# Altium PCB NeuroPico Hub.PcbDoc (part 1 of 5) (continued)
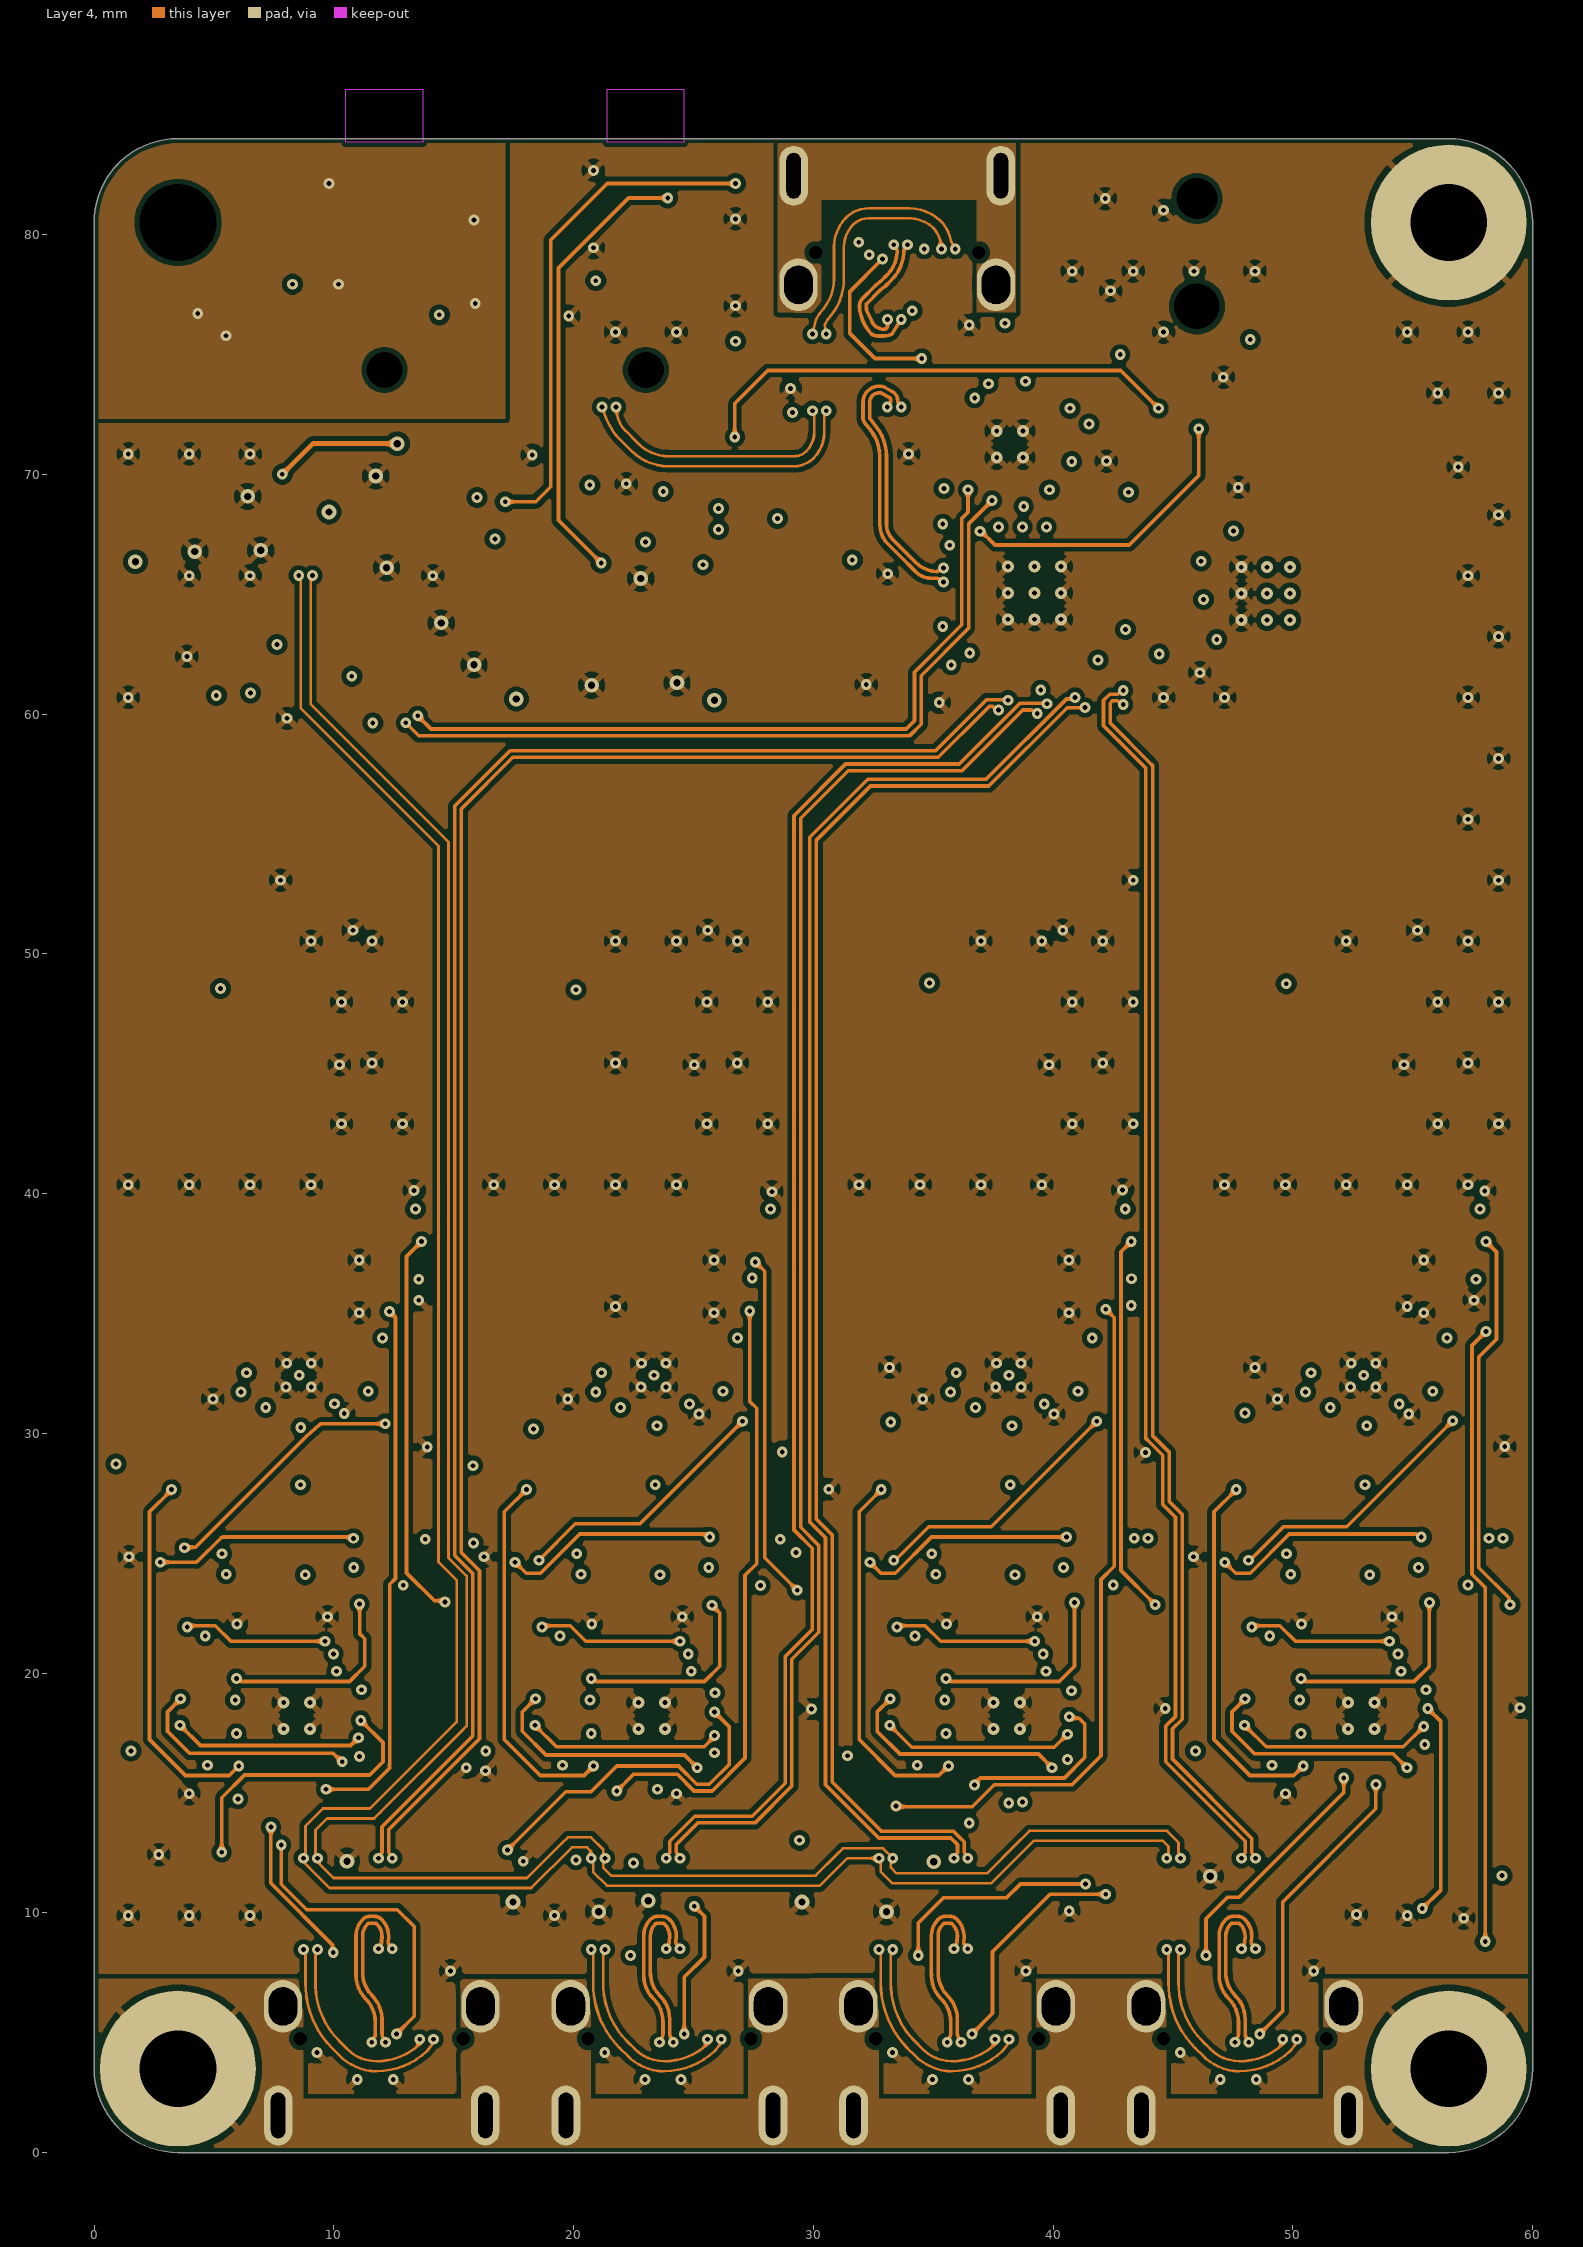
[diagram p4: Layer 4]
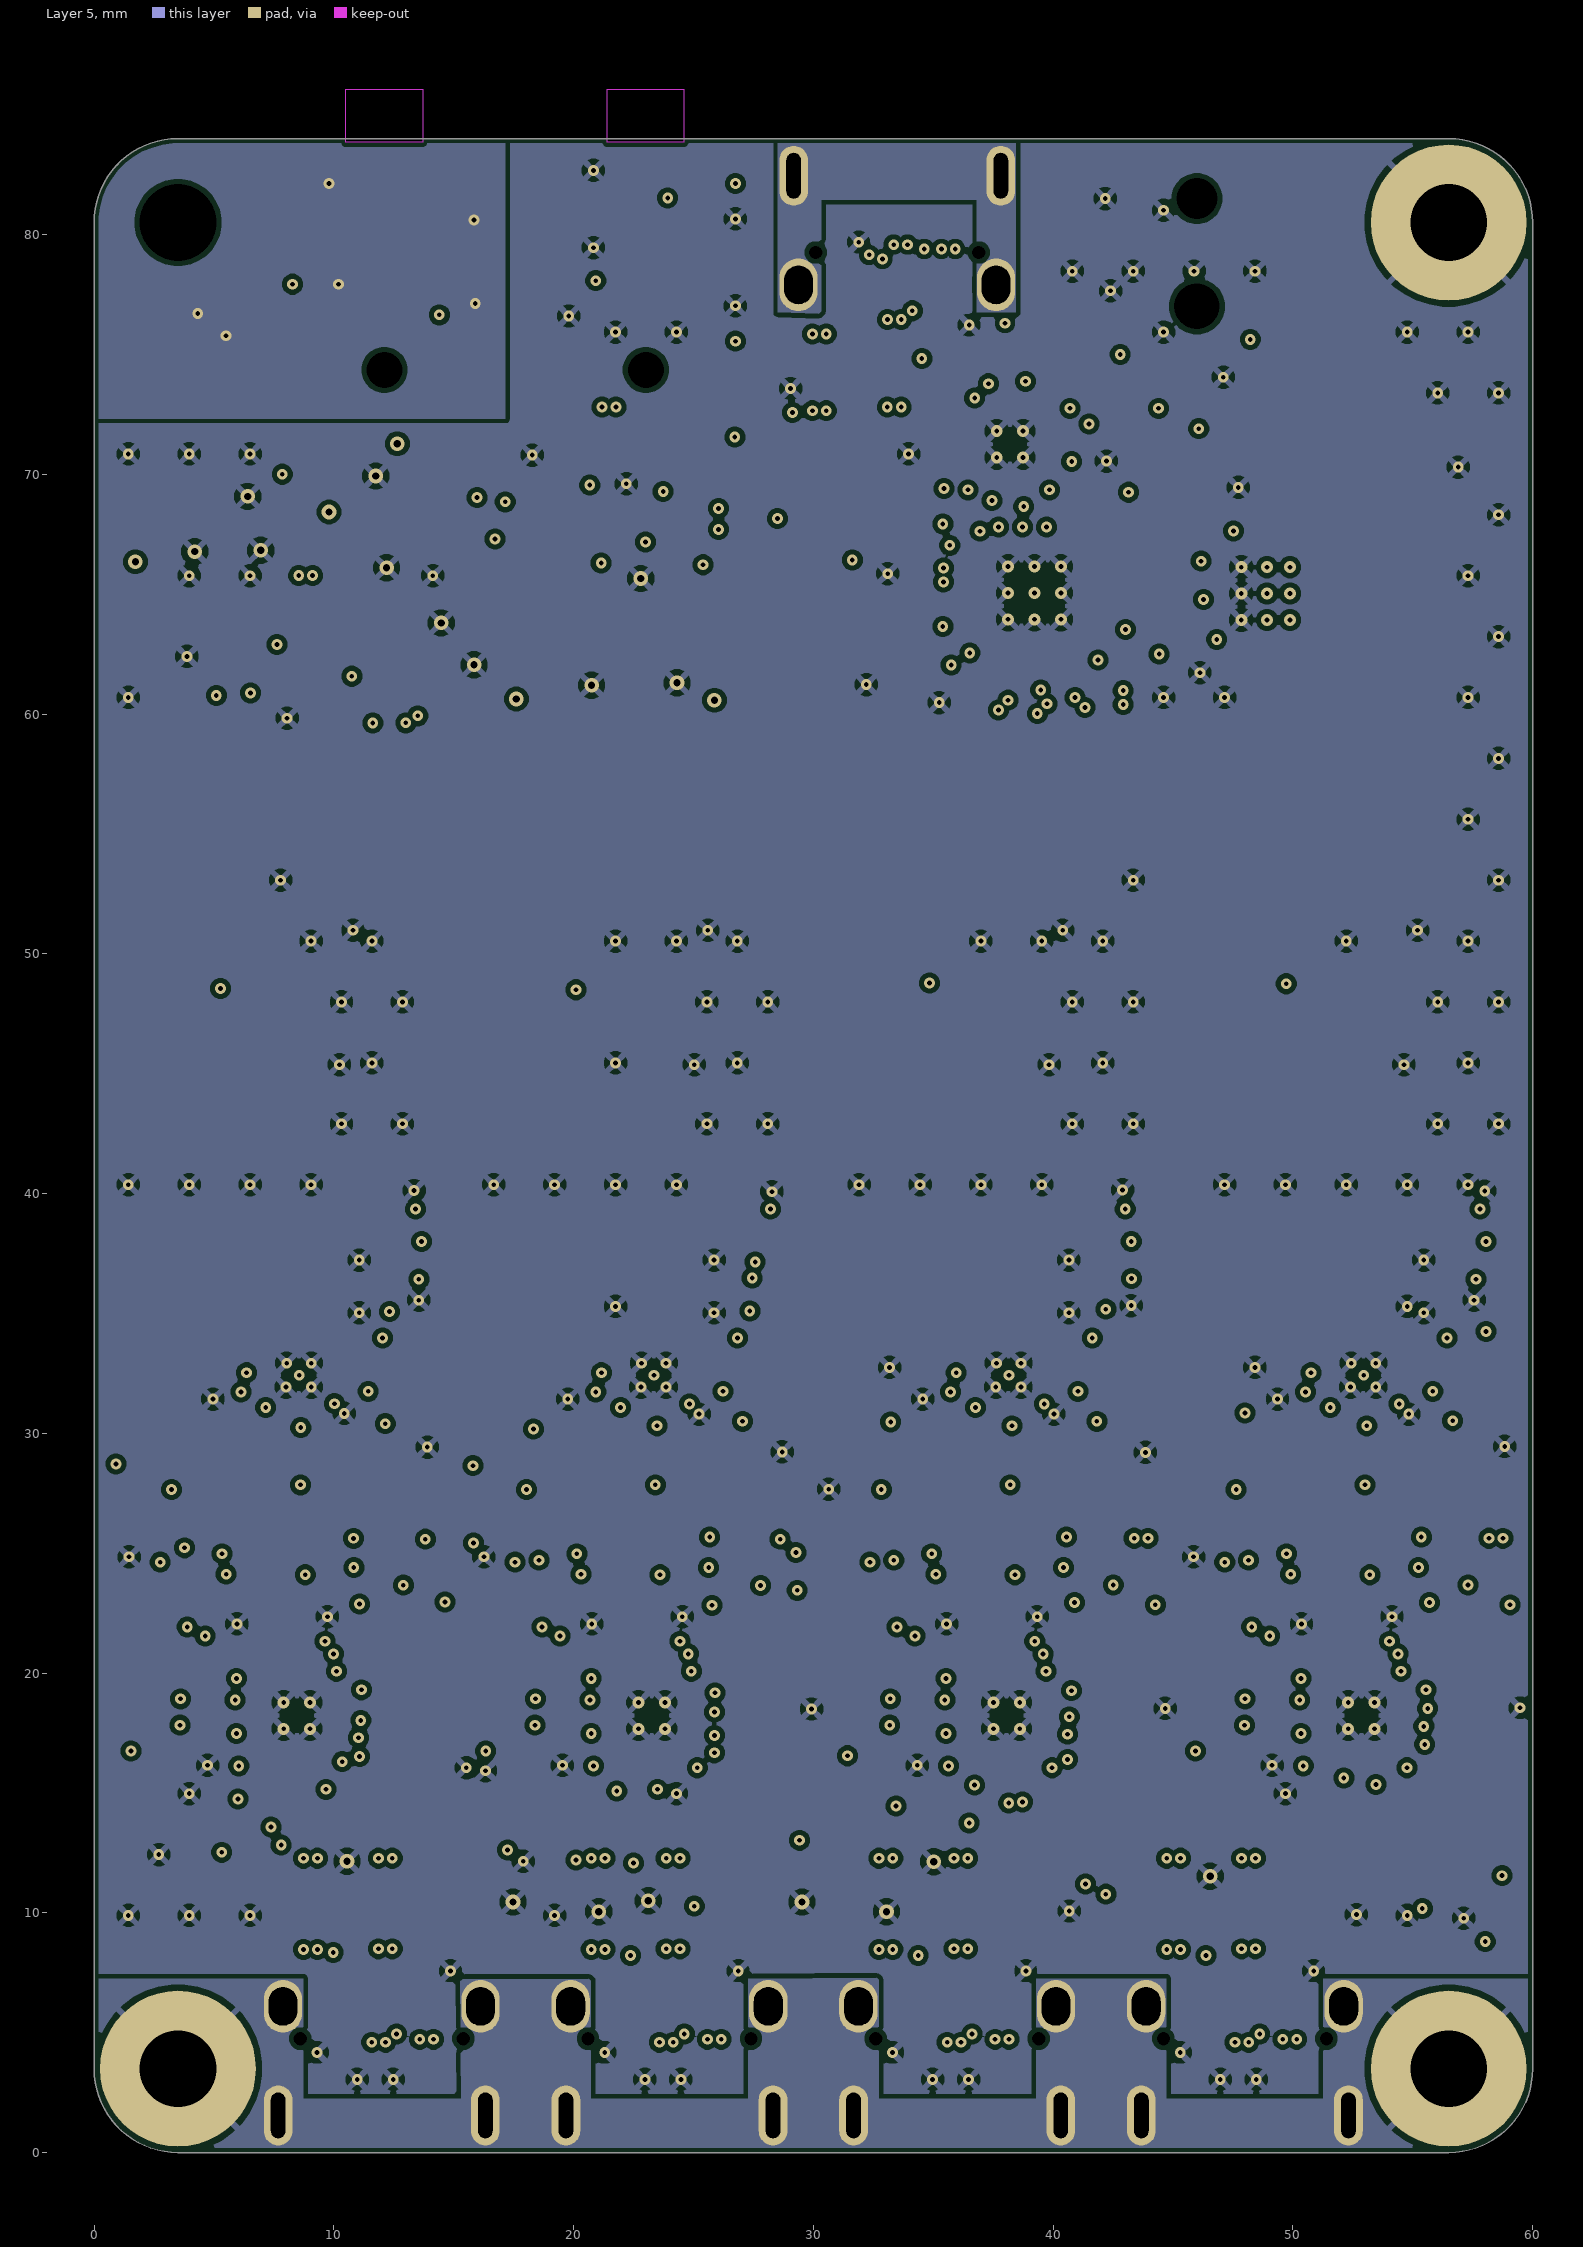
[diagram p5: Layer 5]
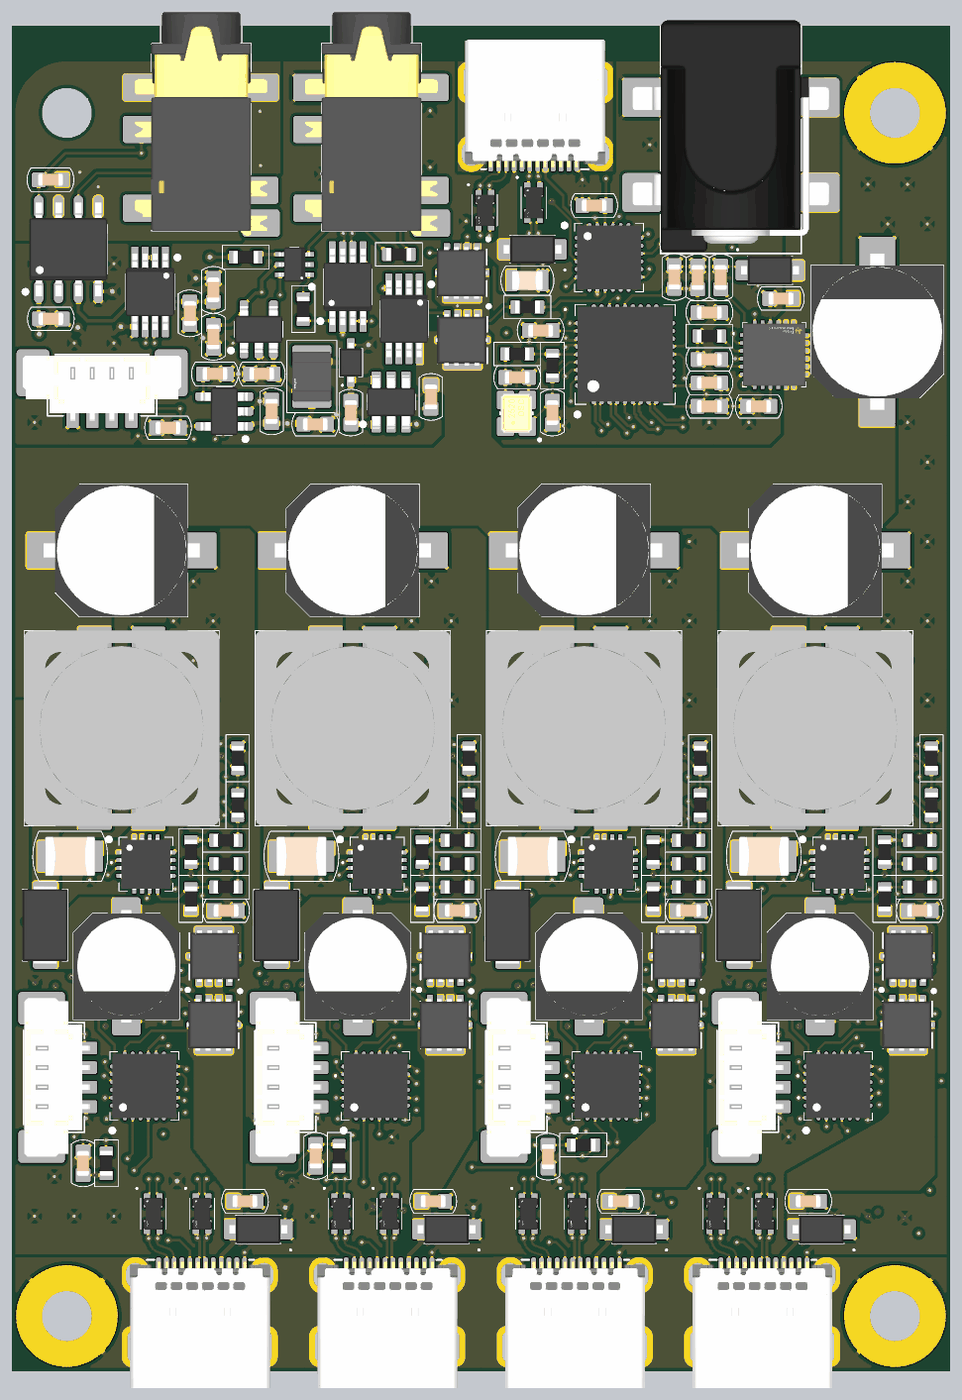
[diagram p10: 3D render of the assembled board from above, using the file's embedded part models]
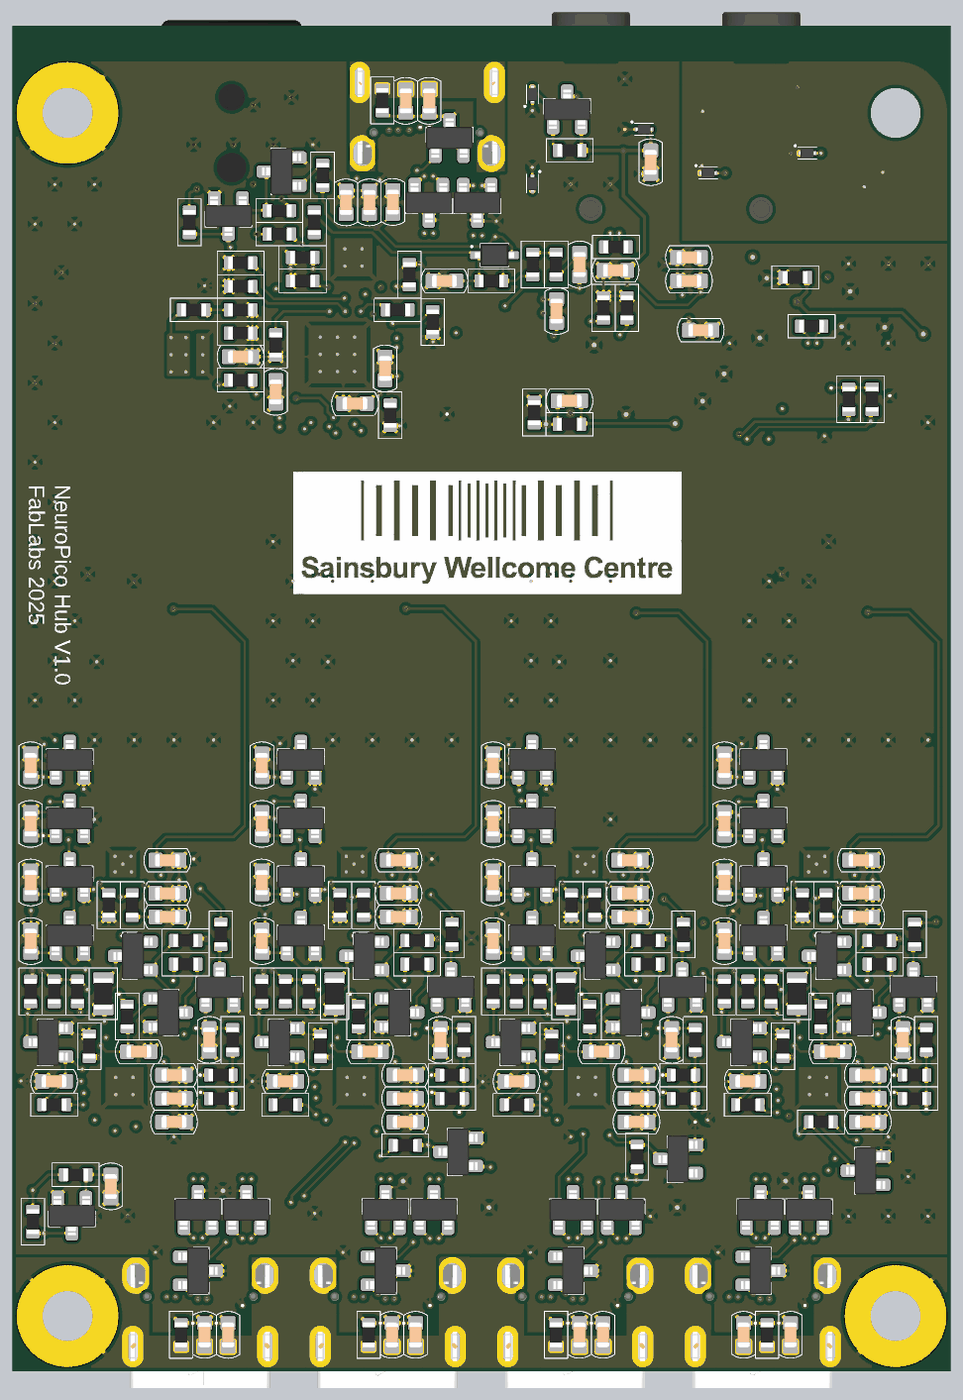
[diagram p11: 3D render of the assembled board from below, using the file's embedded part models]

## Layer stack, top to bottom
Top Solder: solder mask 0.0046, Solder Resist, Dk 3.8
Top Layer: signal copper 0.0351
Dielectric 1: prepreg 0.203, 7628, Dk 4.4
Layer 2: signal copper 0.0305
Core 1: core 0.25, FR-4, Dk 4.23
Layer 3: signal copper 0.0305
Dielectric 2: prepreg 0.203, 7628, Dk 4.4
Dielectric 5: prepreg 0.107, 3313, Dk 4.1
Dielectric 4: prepreg 0.203, 7628, Dk 4.4
Layer 4: signal copper 0.0305
Core 2: core 0.25, FR-4, Dk 4.23
Layer 5: signal copper 0.0305
Dielectric 3: prepreg 0.203, 7628, Dk 4.4
Bottom Layer: signal copper 0.0351
Bottom Solder: solder mask 0.0046, Solder Resist, Dk 3.8

## Board outline
3.5,0 56.5,0 ccw(c56.5,3.5) 60,3.5 60,80.5 ccw(c56.5,80.5) 56.5,84 3.5,84 ccw(c3.5,80.5) 0,80.5 0,3.5 ccw(c3.5,3.5)

## Design rules (kind name [scope] priority, off if disabled: settings)
BoardOutlineClearance [(OnLayer('Bottom Overlay') OR OnLayer('Top Overlay'))] p1: gap=0 ignorepadtopadclearanceinfootprint=FALSE
BoardOutlineClearance BoardOutlineClearance_1 [All] p2: gap=0.2 ignorepadtopadclearanceinfootprint=FALSE
Clearance Clearance_Power [IsRegion vs Not InComponent('U2')] p1: gap=0.203 ignorepadtopadclearanceinfootprint=TRUE
Clearance Clearance_polygon [InNet('GND') vs InPolygon] p2: gap=0.381 ignorepadtopadclearanceinfootprint=FALSE
Clearance [All] p3: gap=0.127 ignorepadtopadclearanceinfootprint=FALSE except(0.203: Arc-Hole Track-Hole Via-Hole Fill-Hole Poly-Hole Region-Hole Text-Hole)
ComponentClearance [All] p1: gap=0.089 collisioncheckmode=3 verticalgap=0.089 showdistances=TRUE
DiffPairsRouting JLCPCB_6L_90Ohm [InDifferentialPairClass('USB')] p1: maxlimit=0.127 minlimit=0.127 mostfreqgap=0.127 toplayer_minwidth=0.172 toplayer_maxwidth=0.172 toplayer_prefwidth=0.172 midlayer3_minwidth=0.151 midlayer3_maxwidth=0.151 midlayer3_prefwidth=0.151 bottomlayer_minwidth=0.172 bottomlayer_maxwidth=0.172 bottomlayer_prefwidth=0.172 impedanceprofiledriven=TRUE impedanceprofileid={80A01DFB-FA2F-4B38-88B6-3AD92822CED9} impedanceprofilevalue=90.000000 maxuncoupledlength=12.7
DiffPairsRouting JLCPCB_6L_120Ohm [InDifferentialPairClass('RS485')] p2: maxlimit=0.305 minlimit=0.127 mostfreqgap=0.305 toplayer_mingap=0.305 toplayer_minwidth=0.13 toplayer_maxwidth=0.13 toplayer_prefwidth=0.13 midlayer3_mingap=0.305 midlayer3_minwidth=0.112 midlayer3_maxwidth=0.112 midlayer3_prefwidth=0.112 bottomlayer_mingap=0.305 bottomlayer_minwidth=0.13 bottomlayer_maxwidth=0.13 bottomlayer_prefwidth=0.13 impedanceprofiledriven=TRUE impedanceprofileid={5668A950-0EA0-4914-B62B-A88457056F89} impedanceprofilevalue=120.000000 maxuncoupledlength=12.7
Height [All] p1: minheight=0 maxheight=1816.048 prefheight=12.7
HoleSize [All] p1: absolutevalues=TRUE maxlimit=6.3 minlimit=0.2 maxpercent=80.000 minpercent=20.000
HoleToHoleClearance [All] p1: gap=0.25 allowstackedmicrovias=FALSE
MinimumAnnularRing [All] p1: minimumring=0.076
MinimumSolderMaskSliver [All] p1: minsoldermaskwidth=0
PlaneClearance [All] p1: clearance=0.089
PlaneConnect PlaneConnectPowerPads [InPadClass('PowerPads')] p1: planeconnectstyle=Direct reliefexpansion=0.508 reliefentries=4 reliefconductorwidth=0.254 reliefairgap=0.254
PlaneConnect [All] p2: pad.planeconnectstyle=Relief pad.reliefexpansion=0.3 pad.reliefentries=4 pad.reliefconductorwidth=0.089 pad.reliefairgap=0.089 via.planeconnectstyle=Relief via.reliefexpansion=0.3 via.reliefentries=4 via.reliefconductorwidth=0.127 via.reliefairgap=0.127
PolygonConnect PolygonConnectPowerPads [(InNet('GND') OR InNet('3V3') OR InNet('3V3A'))] p1: connectstyle=Relief reliefconductorwidth=0.254 reliefentries=4 polygonreliefangle="45 Angle" airgapwidth=0.254
PolygonConnect [All] p2: connectstyle=Direct reliefconductorwidth=0.089 reliefentries=4 polygonreliefangle="90 Angle" airgapwidth=0.089
RoutingVias [All] p1: holewidth=0.2 width=0.45 viastyle="Through Hole" minholewidth=0.2 minwidth=0.45 maxholewidth=6.3 maxwidth=6.55
SMDNeckDown [All] p1 off: percent=50.000
SilkToSilkClearance [All] p1: silktosilkclearance=0
SilkToSolderMaskClearance [IsPad] p1 off: minsilkscreentomaskgap=0.089 clearancetoexposedcopper=TRUE
SolderMaskExpansion [All] p1: expansion=0.075 istentingtop=FALSE
SupplyNets "Schematic Supply Nets_5" [InNet('VCLK')] p1: voltage=0.000
SupplyNets "Schematic Supply Nets_3" [InNet('SHIELD')] p2: voltage=0.000
SupplyNets "Schematic Supply Nets_2" [InNet('SGND')] p3: voltage=0.000
SupplyNets "Schematic Supply Nets_1" [InNet('3V76')] p4: voltage=0.000
SupplyNets "Schematic Supply Nets" [InNet('3V3')] p5: voltage=0.000
SupplyNets "Schematic Supply Nets_4" [InNet('GND')] p6: voltage=0.000
Width [All] p1: maxlimit=1816.048 minlimit=0.089 preferedwidth=0.089
20 further rules are at their usual default settings.

## Classes and differential pairs
net class USB_DS[0..3]: USB_DS0 USB_DS1 USB_DS2 USB_DS3
channel class "USB PD Controller": "USB PD ControllerA" "USB PD ControllerB" "USB PD ControllerC" "USB PD ControllerD"
channel class "PD Controller Source": "PD Controller SourceA" "PD Controller SourceB" "PD Controller SourceC" "PD Controller SourceD"
channel class "MOS Switch": "MOS SwitchA" "MOS SwitchB" "MOS SwitchC" "MOS SwitchD"
channel class "DC SEPIC": "DC SEPICA" "DC SEPICB" "DC SEPICC" "DC SEPICD"
component class "PD Controller SourceD": C63D C64D C65D C66D CN7D Q14D Q15D Q16D R58D R59D R60D R61D R62D R63D R64D U19D
component class "PD Controller SourceC": C63C C64C C65C C66C CN7C Q14C Q15C Q16C R58C R59C R60C R61C R62C R63C R64C U19C
component class "PD Controller SourceB": C63B C64B C65B C66B CN7B Q14B Q15B Q16B R58B R59B R60B R61B R62B R63B R64B U19B
component class "PD Controller SourceA": C63A C64A C65A C66A CN7A Q14A Q15A Q16A R58A R59A R60A R61A R62A R63A R64A U19A
component class "MOS SwitchD": C55D C56D C57D C58D C59D C60D C61D C62D Q6D Q7D Q8D Q9D Q10D Q11D Q12D Q13D R50D R51D R52D R53D R54D R55D R56D R57D
component class "MOS SwitchC": C55C C56C C57C C58C C59C C60C C61C C62C Q6C Q7C Q8C Q9C Q10C Q11C Q12C Q13C R50C R51C R52C R53C R54C R55C R56C R57C
component class "MOS SwitchB": C55B C56B C57B C58B C59B C60B C61B C62B Q6B Q7B Q8B Q9B Q10B Q11B Q12B Q13B R50B R51B R52B R53B R54B R55B R56B R57B
component class "MOS SwitchA": C55A C56A C57A C58A C59A C60A C61A C62A Q6A Q7A Q8A Q9A Q10A Q11A Q12A Q13A R50A R51A R52A R53A R54A R55A R56A R57A
component class "DC SEPICD": C49D C50D C51D C52D C53D C54D D11D L6D R41D R42D R43D R44D R45D R46D R47D R48D R49D U18D
component class "DC SEPICC": C49C C50C C51C C52C C53C C54C D11C L6C R41C R42C R43C R44C R45C R46C R47C R48C R49C U18C
component class "DC SEPICB": C49B C50B C51B C52B C53B C54B D11B L6B R41B R42B R43B R44B R45B R46B R47B R48B R49B U18B
component class "DC SEPICA": C49A C50A C51A C52A C53A C54A D11A L6A R41A R42A R43A R44A R45A R46A R47A R48A R49A U18A
component class "USB DownstreamA": C25A C26A C27A CN2A D5A L2A L3A R14A U6A U7A U8A
component class "USB DownstreamD": C25D C26D C27D CN2D D5D L2D L3D R14D U6D U7D U8D
component class "Power Input": C32 C33 C34 C35 C36 C37 CN4 D7 R23 R24 R25 R26 R27 U13
component class "PD Controller Sink": C42 C43 C44 C45 C46 C47 C48 CN6 D10 Q4 Q5 R30 R31 R32 R33 R34 R35 R36 R37 R38 R39 R40 U16 U17
component class "Clock Buffer": C40 C41 R28 R29 U15
component class "Clock Thru": C38 C39 CN5 D8 D9 U14
component class "Clock Input": C1 C2 C3 CN1 D1 D2 D3 Q1 R1 R2 R3 U1
component class "USB Upstream": C28 C29 C30 C31 CN3 D6 L4 L5 Q2 Q3 R15 R16 R17 R18 R19 R20 R21 R22 U9 U10 U11 U12
component class "USB DownstreamB": C25B C26B C27B CN2B D5B L2B L3B R14B U6B U7B U8B
component class "USB DownstreamC": C25C C26C C27C CN2C D5C L2C L3C R14C U6C U7C U8C
differential pair class RS485: CLK CLK_CN CLKOUT CLKOUT_CNA CLKOUT_CNB CLKOUT_CNC CLKOUT_CND
differential pair class USB: USB USB.D USB_CN USB_DS1 USB_DS2 USB_DS3 USB_DS4 USB_DS_CNA USB_DS_CNB USB_DS_CNC USB_DS_CND USB_DSA USB_MCU USB_MCU.R USB_U USB_US USB_US.D USB_US_CN
component class "System Power": C15 C16 C17 C18 C19 C20 C21 C22 C23 C24 D4 L1 R12 R13 U3 U4 U5
component class "USB HUB": C4 C5 C6 C7 C8 C9 C10 C11 C12 C13 C14 R4 R5 R6 R7 R8 R9 R10 R11 U2 X1
channel class "USB Downstream": "USB DownstreamA" "USB DownstreamB" "USB DownstreamC" "USB DownstreamD"
differential pair USB_DS_CNC: +USB_DS_CNC_P -USB_DS_CNC_N
differential pair CLKOUT_CNC: +CLKOUT_CNC_P -CLKOUT_CNC_N
differential pair USB_DS_CND: +USB_DS_CND_P -USB_DS_CND_N
differential pair USB_DS4: +USB_DS4_P -USB_DS4_N
differential pair USB_CN: +USB_CN_P -USB_CN_N
differential pair CLK: +CLK_P -CLK_N
differential pair CLKOUT_CND: +CLKOUT_CND_P -CLKOUT_CND_N
differential pair CLK_CN: +CLK_CN_P -CLK_CN_N
differential pair USB_US.D: +USB_US.D_P -USB_US.D_N
differential pair USB_DS_CNA: +USB_DS_CNA_P -USB_DS_CNA_N
differential pair CLKOUT_CNA: +CLKOUT_CNA_P -CLKOUT_CNA_N
differential pair CLKOUT: +CLKOUT_P -CLKOUT_N
differential pair USB_DS_CNB: +USB_DS_CNB_P -USB_DS_CNB_N
differential pair USB_DS3: +USB_DS3_P -USB_DS3_N
differential pair USB_DS2: +USB_DS2_P -USB_DS2_N
differential pair USB_DS1: +USB_DS1_P -USB_DS1_N
differential pair CLKOUT_CNB: +CLKOUT_CNB_P -CLKOUT_CNB_N

## Components (designator, comment, footprint, x,y, rotation, side; value= is the part's Value field where it differs from the comment)
C1 "C0603-1uF-50V" CAP_CHIP_0603 16.725,71.25 r180 bottom value=1µF
C2 "C0603-100nF-50V" CAP_CHIP_0603 16.725,69.75 r180 bottom value=100nF
C3 "C0603-100nF-50V" CAP_CHIP_0603 19.175,77.35 r90 bottom value=100nF
C4 "C0603-20pF-50V" CAP_CHIP_0603 34.575,61.325 r90 top value=20pF
C5 "C0603-20pF-50V" CAP_CHIP_0603 32.325,63.575 r180 top value=20pF
C6 "C0603-4.7uF-16V" CAP_CHIP_0603 42.375,70 r270 top value=4.7µF
C7 "C0603-100nF-50V" CAP_CHIP_0603 43.875,69.975 r270 top value=100nF
C8 "C0603-100nF-50V" CAP_CHIP_0603 38.1,61.9 r180 bottom value=100nF
C9 "C0603-100nF-50V" CAP_CHIP_0603 44.625,63.225 r180 top value=100nF
C10 "C0603-100nF-50V" CAP_CHIP_0603 44.625,61.725 r180 top value=100nF
C11 "C0603-100nF-50V" CAP_CHIP_0603 33.825,66.575 r0 top value=100nF
C12 "C0603-100nF-50V" CAP_CHIP_0603 44.625,67.725 r180 top value=100nF
C13 "C0603-100nF-50V" CAP_CHIP_0603 36.175,64.15 r90 bottom value=100nF
C14 "C0603-100nF-50V" CAP_CHIP_0603 43.175,62.65 r270 bottom value=100nF
C15 "C0603-10nF-50V" CAP_CHIP_0603 21.675,61.325 r270 top value=10nF
C16 "C0603-100pF-50V" CAP_CHIP_0603 24.375,62.075 r180 bottom value=100pF
C17 "C0603-10uF-35V" CAP_CHIP_0603 19.4,60.575 r180 top value=10µF
C18 "C0603-1uF-50V" CAP_CHIP_0603 15.975,63.8 r0 top value=1µF
C19 "C0603-2.2uF-50V" CAP_CHIP_0603 9.975,60.35 r0 top value=2.2µF
C20 "C0603-10nF-100V" CAP_CHIP_0603 12.975,63.8 r180 top value=10nF
C21 "C0603-10uF-35V" CAP_CHIP_0603 26.8,62.325 r90 top value=10µF
C22 "C0603-1uF-50V" CAP_CHIP_0603 16.6,61.4 r270 top value=1µF
C23 "C0603-2.2uF-50V" CAP_CHIP_0603 12.875,66.175 r90 top value=2.2µF
C24 "C0603-10nF-100V" CAP_CHIP_0603 15.975,66.6 r0 bottom value=10nF
C25A "C0603-10uF-25V" CAP_CHIP_0603 14.9,10.85 r180 top value=10µF (schematic designator C25)
C25B "C0603-10uF-25V" CAP_CHIP_0603 26.95,10.85 r180 top value=10µF (schematic designator C25)
C25C "C0603-10uF-25V" CAP_CHIP_0603 38.95,10.85 r180 top value=10µF (schematic designator C25)
C25D "C0603-10uF-25V" CAP_CHIP_0603 50.95,10.85 r180 top value=10µF (schematic designator C25)
C26A "C0603-100nF-50V" CAP_CHIP_0603 10.225,2.3 r90 bottom value=100nF (schematic designator C26)
C26B "C0603-100nF-50V" CAP_CHIP_0603 22.225,2.3 r90 bottom value=100nF (schematic designator C26)
C26C "C0603-100nF-50V" CAP_CHIP_0603 34.225,2.3 r90 bottom value=100nF (schematic designator C26)
C26D "C0603-100nF-50V" CAP_CHIP_0603 46.225,2.3 r90 bottom value=100nF (schematic designator C26)
C27A "C0603-10nF-50V" CAP_CHIP_0603 13.225,2.3 r90 bottom value=10nF (schematic designator C27)
C27B "C0603-10nF-50V" CAP_CHIP_0603 23.73,2.3 r90 bottom value=10nF (schematic designator C27)
C27C "C0603-10nF-50V" CAP_CHIP_0603 35.73,2.3 r90 bottom value=10nF (schematic designator C27)
C27D "C0603-10nF-50V" CAP_CHIP_0603 47.73,2.3 r90 bottom value=10nF (schematic designator C27)
C28 "C0805-10uF-50V" CAP_CHIP_0805 32.975,69.775 r180 top value=10µF
C29 "C0603-100nF-50V" CAP_CHIP_0603 21.425,70.425 r180 bottom value=100nF
C30 "C0603-100nF-50V" CAP_CHIP_0603 33.35,81.275 r90 bottom value=100nF
C31 "C0603-10nF-50V" CAP_CHIP_0603 34.85,81.275 r90 bottom value=10nF
C32 "SC8-220uF-35V" ECAP_SMD_D8_10.2L 55.375,66.5 r90 top value=220µF
C33 "C0603-1uF-50V" CAP_CHIP_0603 49.2,68.625 r0 top value=1µF
C34 "C0603-2.2nF-50V" CAP_CHIP_0603 45.35,69.975 r90 top value=2.2nF
C35 "C0603-2.2nF-50V" CAP_CHIP_0603 44.625,64.725 r180 top value=2.2nF
C36 "C0603-100nF-50V" CAP_CHIP_0603 45.425,64.9 r180 bottom value=100nF
C37 "C0603-100nF-50V" CAP_CHIP_0603 47.775,61.725 r0 top value=100nF
C38 "C0603-100nF-50V" CAP_CHIP_0603 2.45,76.225 r180 top value=100nF
C39 "C0603-100nF-50V" CAP_CHIP_0603 2.475,67.325 r0 top value=100nF
C40 "C0603-1uF-50V" CAP_CHIP_0603 12.875,69.175 r270 top value=1µF
C41 "C0603-100nF-50V" CAP_CHIP_0603 11.375,67.675 r90 top value=100nF
C42 "C0603-100nF-50V" CAP_CHIP_0603 23.725,70.8 r270 bottom value=100nF
C43 "C0603-1uF-50V" CAP_CHIP_0603 35.675,74.8 r270 bottom value=1µF
C44 "C0603-1uF-50V" CAP_CHIP_0603 32.375,69.75 r180 bottom value=1µF
C45 "C0603-1uF-50V" CAP_CHIP_0603 25.2,67.825 r90 bottom value=1µF
C46 "C0603-100nF-50V" CAP_CHIP_0603 37.25,74.575 r0 top value=100nF
C47 "C0603-1uF-50V" CAP_CHIP_0603 38.675,74.775 r270 bottom value=1µF
C48 "C0603-1uF-50V" CAP_CHIP_0603 37.175,74.775 r270 bottom value=1µF
C49A "C1210-2.2uF-50V" CAP_CHIP_1210 3.71,32.925 r0 top value=2.2µF (schematic designator C49)
C49B "C1210-2.2uF-50V" CAP_CHIP_1210 18.51,32.925 r0 top value=2.2µF (schematic designator C49)
C49C "C1210-2.2uF-50V" CAP_CHIP_1210 33.31,32.925 r0 top value=2.2µF (schematic designator C49)